# KiCad board panel_bottom.kicad_pcb
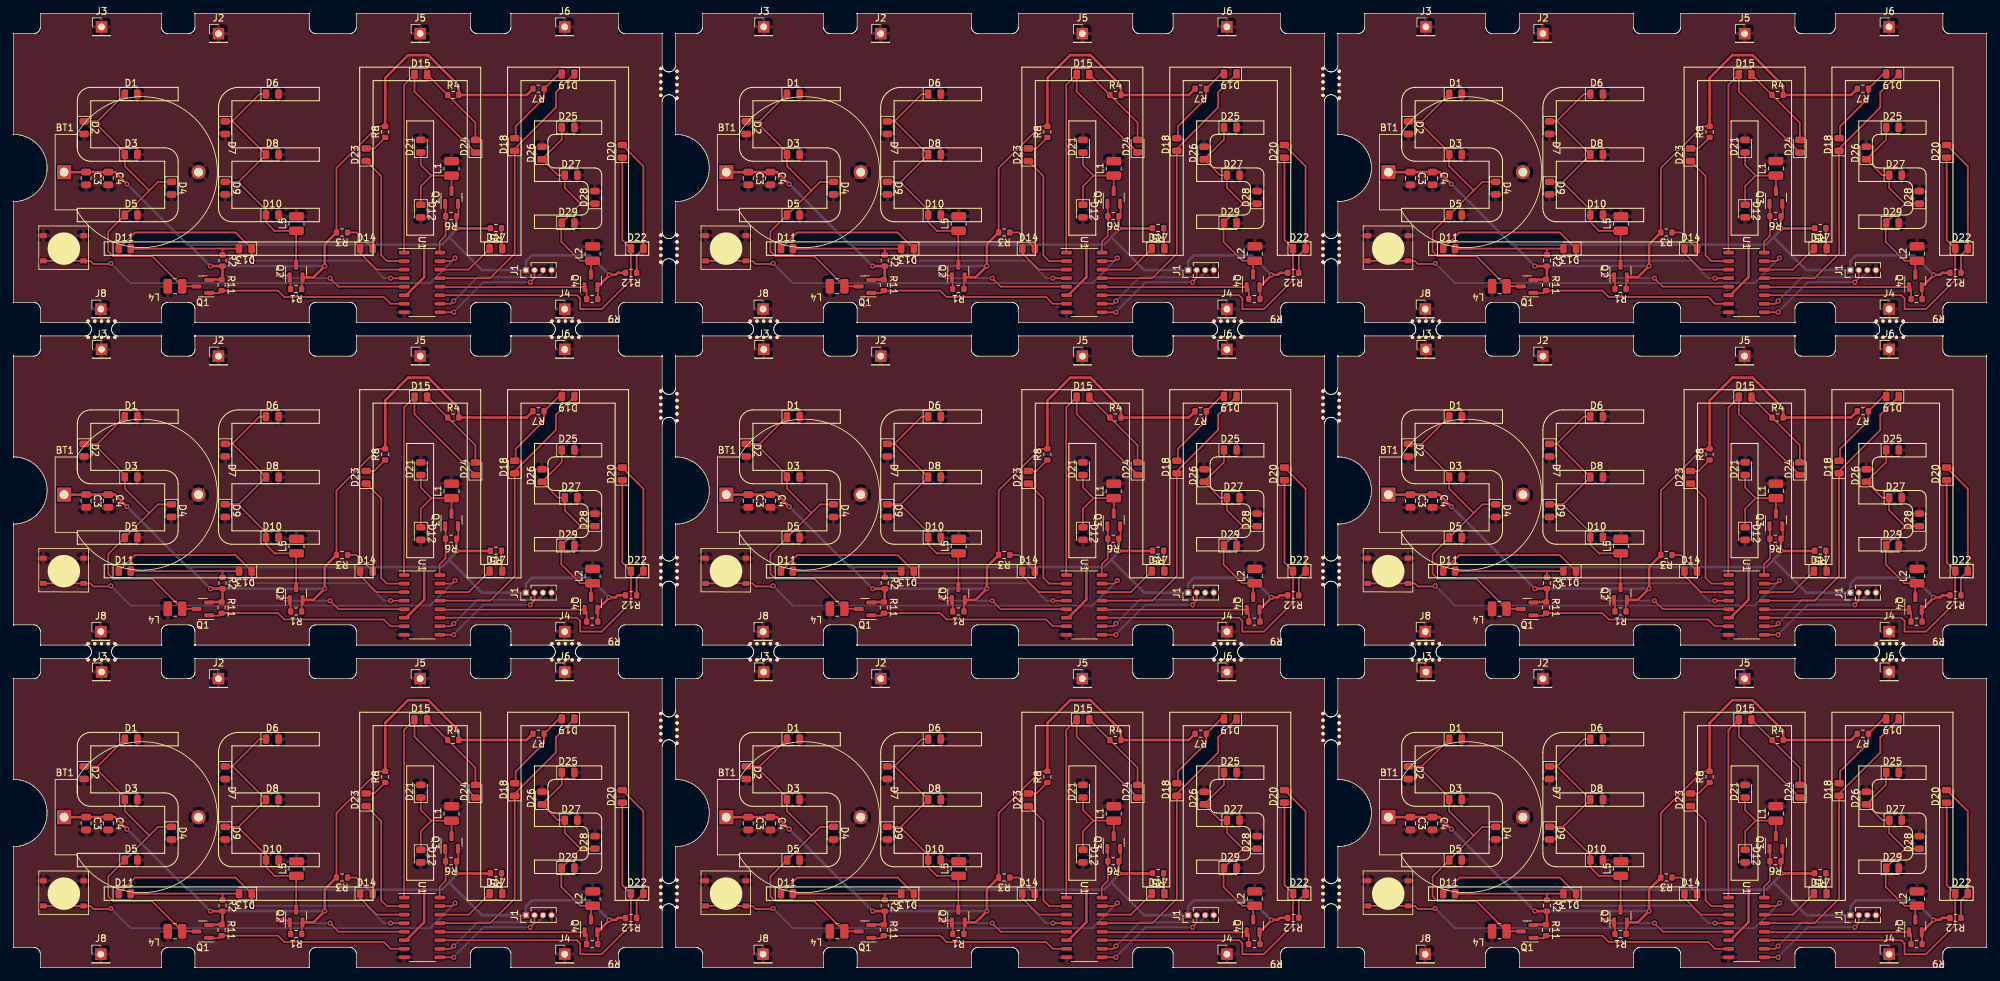
[diagram p0: board, top side]
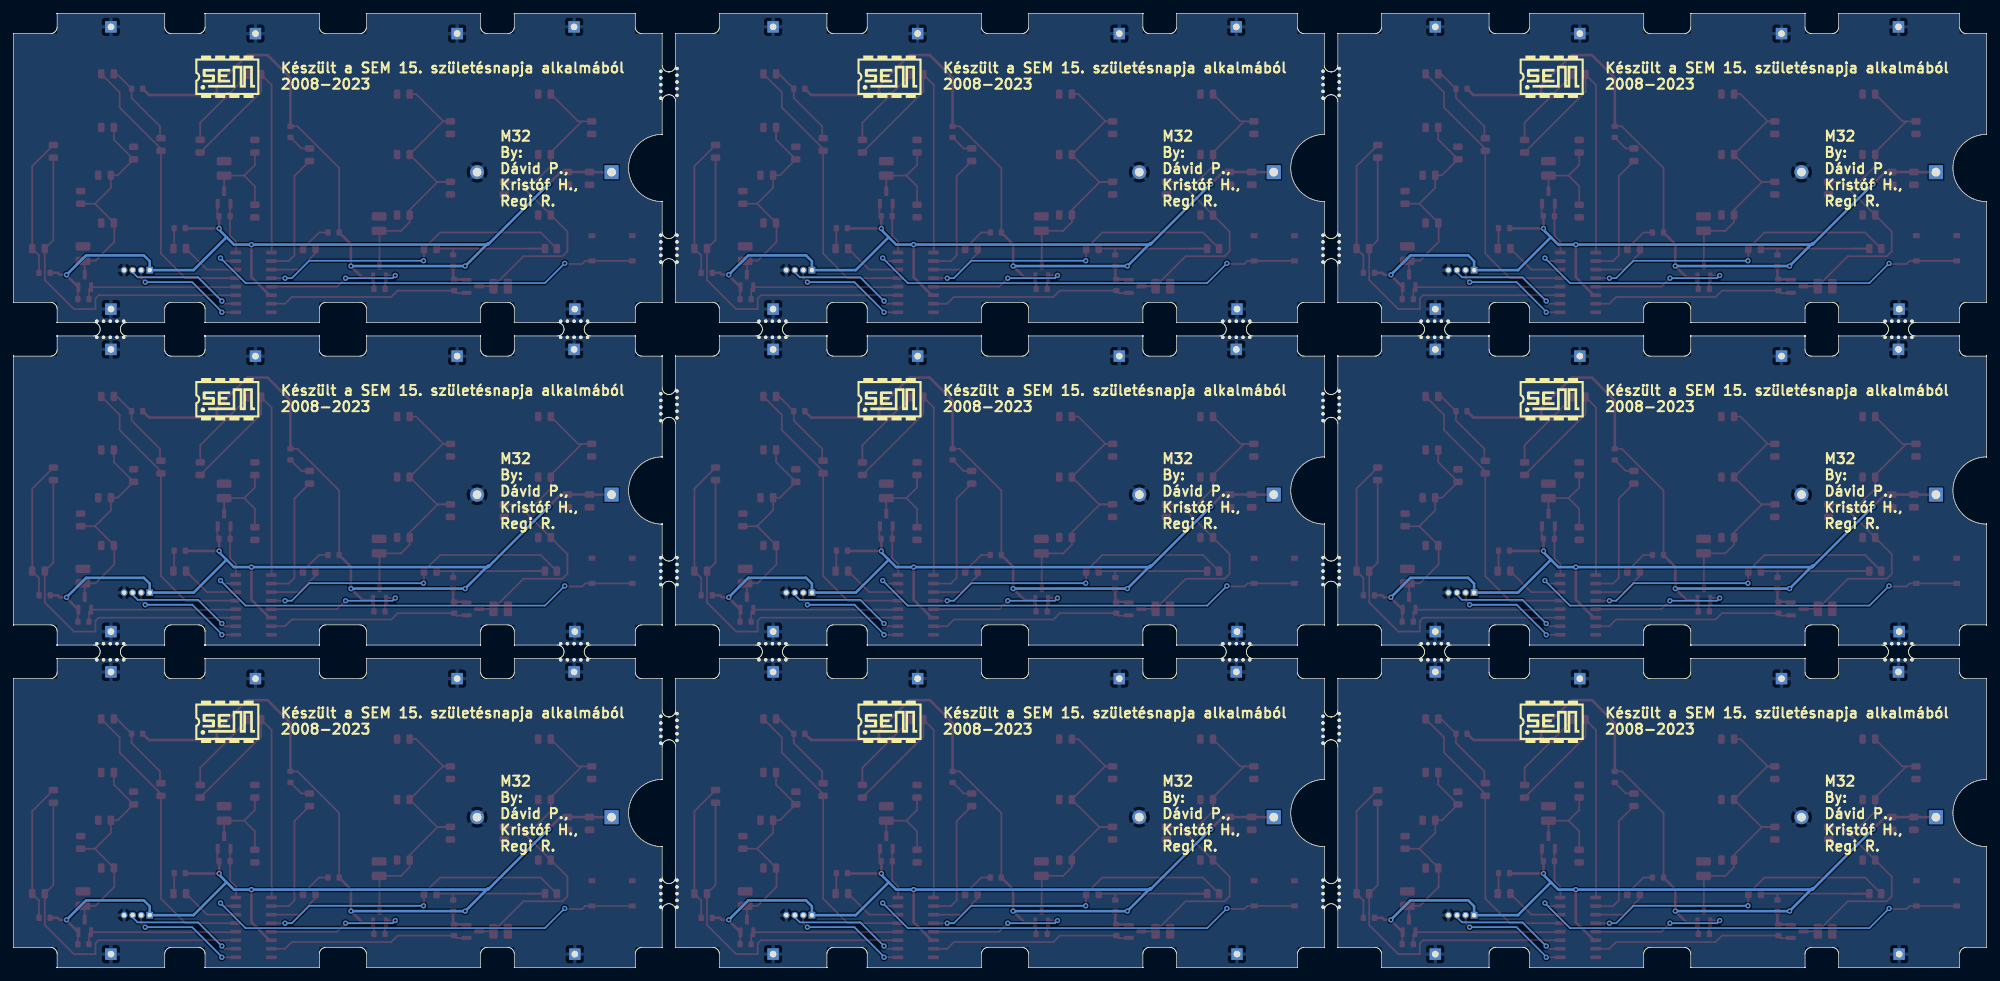
[diagram p1: board, bottom side, seen from below]

Outline 293.5 x 142 mm; copper layers: Top, Bottom. Coordinates in mm from the lower left corner of the outline.
Stack: Top 0.035mm / dielectric 1.51mm FR4 er 4.5 / Bottom 0.035mm

## Placement (name value [footprint] x y rotation side)
BT1  Battery  [CR2032_Holder]  7.53 70.38 0 top
BT1#2  Battery  [CR2032_Holder]  204.53 118.38 0 top
BT1#3  Battery  [CR2032_Holder]  106.03 22.38 0 top
BT1#4  Battery  [CR2032_Holder]  106.03 70.38 0 top
BT1#5  Battery  [CR2032_Holder]  7.53 118.38 0 top
BT1#6  Battery  [CR2032_Holder]  7.53 22.38 0 top
BT1#7  Battery  [CR2032_Holder]  204.53 70.38 0 top
BT1#8  Battery  [CR2032_Holder]  204.53 22.38 0 top
BT1#9  Battery  [CR2032_Holder]  106.03 118.38 0 top
C3  100n  [C_0805_2012Metric]  10.81 117.45 270 top
C3#2  100n  [C_0805_2012Metric]  207.81 69.45 270 top
C3#3  100n  [C_0805_2012Metric]  207.81 21.45 270 top
C3#4  100n  [C_0805_2012Metric]  109.31 21.45 270 top
C3#5  100n  [C_0805_2012Metric]  10.81 21.45 270 top
C3#6  100n  [C_0805_2012Metric]  109.31 117.45 270 top
C3#7  100n  [C_0805_2012Metric]  109.31 69.45 270 top
C3#8  100n  [C_0805_2012Metric]  10.81 69.45 270 top
C3#9  100n  [C_0805_2012Metric]  207.81 117.45 270 top
C4  10u  [C_0805_2012Metric]  14.1 21.45 270 top
C4#2  10u  [C_0805_2012Metric]  211.1 117.45 270 top
C4#3  10u  [C_0805_2012Metric]  112.6 117.45 270 top
C4#4  10u  [C_0805_2012Metric]  112.6 21.45 270 top
C4#5  10u  [C_0805_2012Metric]  112.6 69.45 270 top
C4#6  10u  [C_0805_2012Metric]  14.1 117.45 270 top
C4#7  10u  [C_0805_2012Metric]  14.1 69.45 270 top
C4#8  10u  [C_0805_2012Metric]  211.1 21.45 270 top
C4#9  10u  [C_0805_2012Metric]  211.1 69.45 270 top
D1  LED  [LED_0805_2012Metric]  116 34 0 top
D1#2  LED  [LED_0805_2012Metric]  17.5 34 0 top
D1#3  LED  [LED_0805_2012Metric]  17.5 130 0 top
D1#4  LED  [LED_0805_2012Metric]  214.5 34 0 top
D1#5  LED  [LED_0805_2012Metric]  116 82 0 top
D1#6  LED  [LED_0805_2012Metric]  214.5 82 0 top
D1#7  LED  [LED_0805_2012Metric]  116 130 0 top
D1#8  LED  [LED_0805_2012Metric]  17.5 82 0 top
D1#9  LED  [LED_0805_2012Metric]  214.5 130 0 top
D2  LED  [LED_0805_2012Metric]  207.5 77 270 top
D2#2  LED  [LED_0805_2012Metric]  10.5 125 270 top
D2#3  LED  [LED_0805_2012Metric]  109 29 270 top
D2#4  LED  [LED_0805_2012Metric]  10.5 77 270 top
D2#5  LED  [LED_0805_2012Metric]  109 77 270 top
D2#6  LED  [LED_0805_2012Metric]  10.5 29 270 top
D2#7  LED  [LED_0805_2012Metric]  207.5 29 270 top
D2#8  LED  [LED_0805_2012Metric]  207.5 125 270 top
D2#9  LED  [LED_0805_2012Metric]  109 125 270 top
D3  LED  [LED_0805_2012Metric]  214.5 121 0 top
D3#2  LED  [LED_0805_2012Metric]  214.5 73 0 top
D3#3  LED  [LED_0805_2012Metric]  214.5 25 0 top
D3#4  LED  [LED_0805_2012Metric]  116 25 0 top
D3#5  LED  [LED_0805_2012Metric]  17.5 25 0 top
D3#6  LED  [LED_0805_2012Metric]  116 121 0 top
D3#7  LED  [LED_0805_2012Metric]  116 73 0 top
D3#8  LED  [LED_0805_2012Metric]  17.5 73 0 top
D3#9  LED  [LED_0805_2012Metric]  17.5 121 0 top
D4  LED  [LED_0805_2012Metric]  23.5 68 270 top
D4#2  LED  [LED_0805_2012Metric]  23.5 20 270 top
D4#3  LED  [LED_0805_2012Metric]  122 68 270 top
D4#4  LED  [LED_0805_2012Metric]  122 20 270 top
D4#5  LED  [LED_0805_2012Metric]  220.5 116 270 top
D4#6  LED  [LED_0805_2012Metric]  122 116 270 top
D4#7  LED  [LED_0805_2012Metric]  220.5 68 270 top
D4#8  LED  [LED_0805_2012Metric]  220.5 20 270 top
D4#9  LED  [LED_0805_2012Metric]  23.5 116 270 top
D5  LED  [LED_0805_2012Metric]  17.5 112 0 top
D5#2  LED  [LED_0805_2012Metric]  214.5 112 0 top
D5#3  LED  [LED_0805_2012Metric]  116 64 0 top
D5#4  LED  [LED_0805_2012Metric]  214.5 16 0 top
D5#5  LED  [LED_0805_2012Metric]  214.5 64 0 top
D5#6  LED  [LED_0805_2012Metric]  116 16 0 top
D5#7  LED  [LED_0805_2012Metric]  17.5 16 0 top
D5#8  LED  [LED_0805_2012Metric]  116 112 0 top
D5#9  LED  [LED_0805_2012Metric]  17.5 64 0 top
D6  LED  [LED_0805_2012Metric]  38.5 34 0 top
D6#2  LED  [LED_0805_2012Metric]  235.5 34 0 top
D6#3  LED  [LED_0805_2012Metric]  38.5 82 0 top
D6#4  LED  [LED_0805_2012Metric]  137 34 0 top
D6#5  LED  [LED_0805_2012Metric]  38.5 130 0 top
D6#6  LED  [LED_0805_2012Metric]  235.5 130 0 top
D6#7  LED  [LED_0805_2012Metric]  235.5 82 0 top
D6#8  LED  [LED_0805_2012Metric]  137 82 0 top
D6#9  LED  [LED_0805_2012Metric]  137 130 0 top
D7  LED  [LED_0805_2012Metric]  130 125 270 top
D7#2  LED  [LED_0805_2012Metric]  228.5 77 270 top
D7#3  LED  [LED_0805_2012Metric]  130 29 270 top
D7#4  LED  [LED_0805_2012Metric]  228.5 125 270 top
D7#5  LED  [LED_0805_2012Metric]  130 77 270 top
D7#6  LED  [LED_0805_2012Metric]  31.5 125 270 top
D7#7  LED  [LED_0805_2012Metric]  31.5 77 270 top
D7#8  LED  [LED_0805_2012Metric]  228.5 29 270 top
D7#9  LED  [LED_0805_2012Metric]  31.5 29 270 top
D8  LED  [LED_0805_2012Metric]  235.5 25 0 top
D8#2  LED  [LED_0805_2012Metric]  38.5 73 0 top
D8#3  LED  [LED_0805_2012Metric]  235.5 121 0 top
D8#4  LED  [LED_0805_2012Metric]  137 73 0 top
D8#5  LED  [LED_0805_2012Metric]  235.5 73 0 top
D8#6  LED  [LED_0805_2012Metric]  38.5 25 0 top
D8#7  LED  [LED_0805_2012Metric]  137 25 0 top
D8#8  LED  [LED_0805_2012Metric]  137 121 0 top
D8#9  LED  [LED_0805_2012Metric]  38.5 121 0 top
D9  LED  [LED_0805_2012Metric]  228.5 68 270 top
D9#2  LED  [LED_0805_2012Metric]  130 68 270 top
D9#3  LED  [LED_0805_2012Metric]  228.5 20 270 top
D9#4  LED  [LED_0805_2012Metric]  31.5 20 270 top
D9#5  LED  [LED_0805_2012Metric]  228.5 116 270 top
D9#6  LED  [LED_0805_2012Metric]  31.5 68 270 top
D9#7  LED  [LED_0805_2012Metric]  31.5 116 270 top
D9#8  LED  [LED_0805_2012Metric]  130 20 270 top
D9#9  LED  [LED_0805_2012Metric]  130 116 270 top
D10  LED  [LED_0805_2012Metric]  235.5 112 0 top
D10#2  LED  [LED_0805_2012Metric]  235.5 16 0 top
D10#3  LED  [LED_0805_2012Metric]  137 16 0 top
D10#4  LED  [LED_0805_2012Metric]  38.5 112 0 top
D10#5  LED  [LED_0805_2012Metric]  137 112 0 top
D10#6  LED  [LED_0805_2012Metric]  235.5 64 0 top
D10#7  LED  [LED_0805_2012Metric]  137 64 0 top
D10#8  LED  [LED_0805_2012Metric]  38.5 64 0 top
D10#9  LED  [LED_0805_2012Metric]  38.5 16 0 top
D11  LED_G  [LED_0805_2012Metric#2]  213.5 107 0 top
D11#2  LED_G  [LED_0805_2012Metric#2]  16.5 59 0 top
D11#3  LED_G  [LED_0805_2012Metric#2]  16.5 11 0 top
D11#4  LED_G  [LED_0805_2012Metric#2]  16.5 107 0 top
D11#5  LED_G  [LED_0805_2012Metric#2]  115 59 0 top
D11#6  LED_G  [LED_0805_2012Metric#2]  115 107 0 top
D11#7  LED_G  [LED_0805_2012Metric#2]  213.5 59 0 top
D11#8  LED_G  [LED_0805_2012Metric#2]  115 11 0 top
D11#9  LED_G  [LED_0805_2012Metric#2]  213.5 11 0 top
D12  LED  [LED_0805_2012Metric]  159.09 64.59 270 top
D12#2  LED  [LED_0805_2012Metric]  159.09 112.59 270 top
D12#3  LED  [LED_0805_2012Metric]  60.59 64.59 270 top
D12#4  LED  [LED_0805_2012Metric]  257.59 64.59 270 top
D12#5  LED  [LED_0805_2012Metric]  60.59 16.59 270 top
D12#6  LED  [LED_0805_2012Metric]  257.59 112.59 270 top
D12#7  LED  [LED_0805_2012Metric]  60.59 112.59 270 top
D12#8  LED  [LED_0805_2012Metric]  257.59 16.59 270 top
D12#9  LED  [LED_0805_2012Metric]  159.09 16.59 270 top
D13  LED_G  [LED_0805_2012Metric]  133 59 180 top
D13#2  LED_G  [LED_0805_2012Metric]  34.5 107 180 top
D13#3  LED_G  [LED_0805_2012Metric]  133 11 180 top
D13#4  LED_G  [LED_0805_2012Metric]  231.5 11 180 top
D13#5  LED_G  [LED_0805_2012Metric]  133 107 180 top
D13#6  LED_G  [LED_0805_2012Metric]  231.5 107 180 top
D13#7  LED_G  [LED_0805_2012Metric]  34.5 11 180 top
D13#8  LED_G  [LED_0805_2012Metric]  34.5 59 180 top
D13#9  LED_G  [LED_0805_2012Metric]  231.5 59 180 top
D14  LED_G  [LED_0805_2012Metric]  52.5 11 0 top
D14#2  LED_G  [LED_0805_2012Metric]  249.5 11 0 top
D14#3  LED_G  [LED_0805_2012Metric]  52.5 107 0 top
D14#4  LED_G  [LED_0805_2012Metric]  151 11 0 top
D14#5  LED_G  [LED_0805_2012Metric]  249.5 59 0 top
D14#6  LED_G  [LED_0805_2012Metric]  249.5 107 0 top
D14#7  LED_G  [LED_0805_2012Metric]  52.5 59 0 top
D14#8  LED_G  [LED_0805_2012Metric]  151 59 0 top
D14#9  LED_G  [LED_0805_2012Metric]  151 107 0 top
D15  LED_G  [LED_0805_2012Metric]  257.59 36.91 0 top
D15#2  LED_G  [LED_0805_2012Metric]  60.59 84.91 0 top
D15#3  LED_G  [LED_0805_2012Metric]  257.59 132.91 0 top
D15#4  LED_G  [LED_0805_2012Metric]  257.59 84.91 0 top
D15#5  LED_G  [LED_0805_2012Metric]  60.59 132.91 0 top
D15#6  LED_G  [LED_0805_2012Metric]  159.09 84.91 0 top
D15#7  LED_G  [LED_0805_2012Metric]  60.59 36.91 0 top
D15#8  LED_G  [LED_0805_2012Metric]  159.09 132.91 0 top
D15#9  LED_G  [LED_0805_2012Metric]  159.09 36.91 0 top
D17  LED_G  [LED_0805_2012Metric]  268.77 107 0 top
D17#2  LED_G  [LED_0805_2012Metric]  268.77 11 0 top
D17#3  LED_G  [LED_0805_2012Metric]  71.77 59 0 top
D17#4  LED_G  [LED_0805_2012Metric]  170.27 107 0 top
D17#5  LED_G  [LED_0805_2012Metric]  71.77 11 0 top
D17#6  LED_G  [LED_0805_2012Metric]  170.27 11 0 top
D17#7  LED_G  [LED_0805_2012Metric]  268.77 59 0 top
D17#8  LED_G  [LED_0805_2012Metric]  71.77 107 0 top
D17#9  LED_G  [LED_0805_2012Metric]  170.27 59 0 top
D18  LED_G  [LED_0805_2012Metric]  74.56 26.5 90 top
D18#2  LED_G  [LED_0805_2012Metric]  74.56 74.5 90 top
D18#3  LED_G  [LED_0805_2012Metric]  173.06 26.5 90 top
D18#4  LED_G  [LED_0805_2012Metric]  271.56 122.5 90 top
D18#5  LED_G  [LED_0805_2012Metric]  271.56 26.5 90 top
D18#6  LED_G  [LED_0805_2012Metric]  173.06 74.5 90 top
D18#7  LED_G  [LED_0805_2012Metric]  271.56 74.5 90 top
D18#8  LED_G  [LED_0805_2012Metric]  173.06 122.5 90 top
D18#9  LED_G  [LED_0805_2012Metric]  74.56 122.5 90 top
D19  LED_G  [LED_0805_2012Metric]  82.5 37 180 top
D19#2  LED_G  [LED_0805_2012Metric]  82.5 85 180 top
D19#3  LED_G  [LED_0805_2012Metric]  279.5 85 180 top
D19#4  LED_G  [LED_0805_2012Metric]  181 37 180 top
D19#5  LED_G  [LED_0805_2012Metric]  181 85 180 top
D19#6  LED_G  [LED_0805_2012Metric]  181 133 180 top
D19#7  LED_G  [LED_0805_2012Metric]  279.5 133 180 top
D19#8  LED_G  [LED_0805_2012Metric]  279.5 37 180 top
D19#9  LED_G  [LED_0805_2012Metric]  82.5 133 180 top
D20  LED_G  [LED_0805_2012Metric]  287.56 121.48 90 top
D20#2  LED_G  [LED_0805_2012Metric]  189.06 121.48 90 top
D20#3  LED_G  [LED_0805_2012Metric]  90.56 73.48 90 top
D20#4  LED_G  [LED_0805_2012Metric]  189.06 25.48 90 top
D20#5  LED_G  [LED_0805_2012Metric]  287.56 25.48 90 top
D20#6  LED_G  [LED_0805_2012Metric]  287.56 73.48 90 top
D20#7  LED_G  [LED_0805_2012Metric]  90.56 121.48 90 top
D20#8  LED_G  [LED_0805_2012Metric]  90.56 25.48 90 top
D20#9  LED_G  [LED_0805_2012Metric]  189.06 73.48 90 top
D21  LED  [LED_0805_2012Metric]  60.59 122.24 90 top
D21#2  LED  [LED_0805_2012Metric]  257.59 122.24 90 top
D21#3  LED  [LED_0805_2012Metric]  60.59 26.24 90 top
D21#4  LED  [LED_0805_2012Metric]  257.59 74.24 90 top
D21#5  LED  [LED_0805_2012Metric]  159.09 26.24 90 top
D21#6  LED  [LED_0805_2012Metric]  159.09 122.24 90 top
D21#7  LED  [LED_0805_2012Metric]  60.59 74.24 90 top
D21#8  LED  [LED_0805_2012Metric]  257.59 26.24 90 top
D21#9  LED  [LED_0805_2012Metric]  159.09 74.24 90 top
D22  LED_G  [LED_0805_2012Metric]  92.77 107 0 top
D22#2  LED_G  [LED_0805_2012Metric]  191.27 11 0 top
D22#3  LED_G  [LED_0805_2012Metric]  92.77 59 0 top
D22#4  LED_G  [LED_0805_2012Metric]  92.77 11 0 top
D22#5  LED_G  [LED_0805_2012Metric]  289.77 59 0 top
D22#6  LED_G  [LED_0805_2012Metric]  191.27 107 0 top
D22#7  LED_G  [LED_0805_2012Metric]  289.77 107 0 top
D22#8  LED_G  [LED_0805_2012Metric]  191.27 59 0 top
D22#9  LED_G  [LED_0805_2012Metric]  289.77 11 0 top
D23  LED_G  [LED_0805_2012Metric]  150.96 72.97 90 top
D23#2  LED_G  [LED_0805_2012Metric]  249.46 24.97 90 top
D23#3  LED_G  [LED_0805_2012Metric]  249.46 120.97 90 top
D23#4  LED_G  [LED_0805_2012Metric]  52.46 24.97 90 top
D23#5  LED_G  [LED_0805_2012Metric]  249.46 72.97 90 top
D23#6  LED_G  [LED_0805_2012Metric]  52.46 120.97 90 top
D23#7  LED_G  [LED_0805_2012Metric]  150.96 120.97 90 top
D23#8  LED_G  [LED_0805_2012Metric]  52.46 72.97 90 top
D23#9  LED_G  [LED_0805_2012Metric]  150.96 24.97 90 top
D24  LED_G  [LED_0805_2012Metric]  265.72 122.24 90 top
D24#2  LED_G  [LED_0805_2012Metric]  167.22 26.24 90 top
D24#3  LED_G  [LED_0805_2012Metric]  167.22 122.24 90 top
D24#4  LED_G  [LED_0805_2012Metric]  68.72 26.24 90 top
D24#5  LED_G  [LED_0805_2012Metric]  68.72 122.24 90 top
D24#6  LED_G  [LED_0805_2012Metric]  167.22 74.24 90 top
D24#7  LED_G  [LED_0805_2012Metric]  265.72 74.24 90 top
D24#8  LED_G  [LED_0805_2012Metric]  68.72 74.24 90 top
D24#9  LED_G  [LED_0805_2012Metric]  265.72 26.24 90 top
D25  LED  [LED_0805_2012Metric]  181 125.04 0 top
D25#2  LED  [LED_0805_2012Metric]  279.5 125.04 0 top
D25#3  LED  [LED_0805_2012Metric]  181 29.04 0 top
D25#4  LED  [LED_0805_2012Metric]  279.5 77.04 0 top
D25#5  LED  [LED_0805_2012Metric]  82.5 77.04 0 top
D25#6  LED  [LED_0805_2012Metric]  279.5 29.04 0 top
D25#7  LED  [LED_0805_2012Metric]  181 77.04 0 top
D25#8  LED  [LED_0805_2012Metric]  82.5 29.04 0 top
D25#9  LED  [LED_0805_2012Metric]  82.5 125.04 0 top
D26  LED  [LED_0805_2012Metric]  275.63 121.23 90 top
D26#2  LED  [LED_0805_2012Metric]  177.13 25.23 90 top
D26#3  LED  [LED_0805_2012Metric]  78.63 121.23 90 top
D26#4  LED  [LED_0805_2012Metric]  177.13 121.23 90 top
D26#5  LED  [LED_0805_2012Metric]  78.63 25.23 90 top
D26#6  LED  [LED_0805_2012Metric]  177.13 73.23 90 top
D26#7  LED  [LED_0805_2012Metric]  275.63 73.23 90 top
D26#8  LED  [LED_0805_2012Metric]  275.63 25.23 90 top
D26#9  LED  [LED_0805_2012Metric]  78.63 73.23 90 top
D27  LED  [LED_0805_2012Metric]  279.94 69.92 0 top
D27#2  LED  [LED_0805_2012Metric]  279.94 117.92 0 top
D27#3  LED  [LED_0805_2012Metric]  279.94 21.92 0 top
D27#4  LED  [LED_0805_2012Metric]  181.44 117.92 0 top
D27#5  LED  [LED_0805_2012Metric]  181.44 69.92 0 top
D27#6  LED  [LED_0805_2012Metric]  82.94 117.92 0 top
D27#7  LED  [LED_0805_2012Metric]  82.94 21.92 0 top
D27#8  LED  [LED_0805_2012Metric]  181.44 21.92 0 top
D27#9  LED  [LED_0805_2012Metric]  82.94 69.92 0 top
D28  LED  [LED_0805_2012Metric]  185 18.62 90 top
D28#2  LED  [LED_0805_2012Metric]  86.5 114.62 90 top
D28#3  LED  [LED_0805_2012Metric]  283.5 66.62 90 top
D28#4  LED  [LED_0805_2012Metric]  185 66.62 90 top
D28#5  LED  [LED_0805_2012Metric]  86.5 18.62 90 top
D28#6  LED  [LED_0805_2012Metric]  185 114.62 90 top
D28#7  LED  [LED_0805_2012Metric]  86.5 66.62 90 top
D28#8  LED  [LED_0805_2012Metric]  283.5 18.62 90 top
D28#9  LED  [LED_0805_2012Metric]  283.5 114.62 90 top
D29  LED  [LED_0805_2012Metric]  279.5 110.81 0 top
D29#2  LED  [LED_0805_2012Metric]  181 62.81 0 top
D29#3  LED  [LED_0805_2012Metric]  82.5 14.81 0 top
D29#4  LED  [LED_0805_2012Metric]  181 110.81 0 top
D29#5  LED  [LED_0805_2012Metric]  279.5 62.81 0 top
D29#6  LED  [LED_0805_2012Metric]  181 14.81 0 top
D29#7  LED  [LED_0805_2012Metric]  82.5 110.81 0 top
D29#8  LED  [LED_0805_2012Metric]  279.5 14.81 0 top
D29#9  LED  [LED_0805_2012Metric]  82.5 62.81 0 top
J1  Conn_01x04  [PinHeader_1x04_P1.27mm_Vertical]  273.23 7.8 90 top
J1#2  Conn_01x04  [PinHeader_1x04_P1.27mm_Vertical]  76.23 7.8 90 top
J1#3  Conn_01x04  [PinHeader_1x04_P1.27mm_Vertical]  174.73 7.8 90 top
J1#4  Conn_01x04  [PinHeader_1x04_P1.27mm_Vertical]  174.73 55.8 90 top
J1#5  Conn_01x04  [PinHeader_1x04_P1.27mm_Vertical]  76.23 55.8 90 top
J1#6  Conn_01x04  [PinHeader_1x04_P1.27mm_Vertical]  273.23 103.8 90 top
J1#7  Conn_01x04  [PinHeader_1x04_P1.27mm_Vertical]  174.73 103.8 90 top
J1#8  Conn_01x04  [PinHeader_1x04_P1.27mm_Vertical]  76.23 103.8 90 top
J1#9  Conn_01x04  [PinHeader_1x04_P1.27mm_Vertical]  273.23 55.8 90 top
J2  Conn_01x01_Male  [PinHeader_1x01_P2.54mm_Vertical]  227.5 43 0 top
J2#2  Conn_01x01_Male  [PinHeader_1x01_P2.54mm_Vertical]  30.5 139 0 top
J2#3  Conn_01x01_Male  [PinHeader_1x01_P2.54mm_Vertical]  129 91 0 top
J2#4  Conn_01x01_Male  [PinHeader_1x01_P2.54mm_Vertical]  129 139 0 top
J2#5  Conn_01x01_Male  [PinHeader_1x01_P2.54mm_Vertical]  227.5 139 0 top
J2#6  Conn_01x01_Male  [PinHeader_1x01_P2.54mm_Vertical]  30.5 91 0 top
J2#7  Conn_01x01_Male  [PinHeader_1x01_P2.54mm_Vertical]  129 43 0 top
J2#8  Conn_01x01_Male  [PinHeader_1x01_P2.54mm_Vertical]  227.5 91 0 top
J2#9  Conn_01x01_Male  [PinHeader_1x01_P2.54mm_Vertical]  30.5 43 0 top
J3  Conn_01x01_Male  [PinHeader_1x01_P2.54mm_Vertical]  210.1 44 0 top
J3#2  Conn_01x01_Male  [PinHeader_1x01_P2.54mm_Vertical]  13.1 140 0 top
J3#3  Conn_01x01_Male  [PinHeader_1x01_P2.54mm_Vertical]  210.1 140 0 top
J3#4  Conn_01x01_Male  [PinHeader_1x01_P2.54mm_Vertical]  13.1 44 0 top
J3#5  Conn_01x01_Male  [PinHeader_1x01_P2.54mm_Vertical]  210.1 92 0 top
J3#6  Conn_01x01_Male  [PinHeader_1x01_P2.54mm_Vertical]  111.6 92 0 top
J3#7  Conn_01x01_Male  [PinHeader_1x01_P2.54mm_Vertical]  111.6 44 0 top
J3#8  Conn_01x01_Male  [PinHeader_1x01_P2.54mm_Vertical]  111.6 140 0 top
J3#9  Conn_01x01_Male  [PinHeader_1x01_P2.54mm_Vertical]  13.1 92 0 top
J4  Conn_01x01_Male  [PinHeader_1x01_P2.54mm_Vertical]  279 2 0 top
J4#2  Conn_01x01_Male  [PinHeader_1x01_P2.54mm_Vertical]  180.5 50 0 top
J4#3  Conn_01x01_Male  [PinHeader_1x01_P2.54mm_Vertical]  279 98 0 top
J4#4  Conn_01x01_Male  [PinHeader_1x01_P2.54mm_Vertical]  279 50 0 top
J4#5  Conn_01x01_Male  [PinHeader_1x01_P2.54mm_Vertical]  82 2 0 top
J4#6  Conn_01x01_Male  [PinHeader_1x01_P2.54mm_Vertical]  82 50 0 top
J4#7  Conn_01x01_Male  [PinHeader_1x01_P2.54mm_Vertical]  180.5 98 0 top
J4#8  Conn_01x01_Male  [PinHeader_1x01_P2.54mm_Vertical]  82 98 0 top
J4#9  Conn_01x01_Male  [PinHeader_1x01_P2.54mm_Vertical]  180.5 2 0 top
J5  Conn_01x01_Male  [PinHeader_1x01_P2.54mm_Vertical]  60.5 91 0 top
J5#2  Conn_01x01_Male  [PinHeader_1x01_P2.54mm_Vertical]  159 91 0 top
J5#3  Conn_01x01_Male  [PinHeader_1x01_P2.54mm_Vertical]  257.5 43 0 top
J5#4  Conn_01x01_Male  [PinHeader_1x01_P2.54mm_Vertical]  159 139 0 top
J5#5  Conn_01x01_Male  [PinHeader_1x01_P2.54mm_Vertical]  159 43 0 top
J5#6  Conn_01x01_Male  [PinHeader_1x01_P2.54mm_Vertical]  60.5 43 0 top
J5#7  Conn_01x01_Male  [PinHeader_1x01_P2.54mm_Vertical]  60.5 139 0 top
J5#8  Conn_01x01_Male  [PinHeader_1x01_P2.54mm_Vertical]  257.5 91 0 top
J5#9  Conn_01x01_Male  [PinHeader_1x01_P2.54mm_Vertical]  257.5 139 0 top
J6  Conn_01x01_Male  [PinHeader_1x01_P2.54mm_Vertical]  279 44 0 top
J6#2  Conn_01x01_Male  [PinHeader_1x01_P2.54mm_Vertical]  279 140 0 top
J6#3  Conn_01x01_Male  [PinHeader_1x01_P2.54mm_Vertical]  279 92 0 top
J6#4  Conn_01x01_Male  [PinHeader_1x01_P2.54mm_Vertical]  180.5 92 0 top
J6#5  Conn_01x01_Male  [PinHeader_1x01_P2.54mm_Vertical]  180.5 140 0 top
J6#6  Conn_01x01_Male  [PinHeader_1x01_P2.54mm_Vertical]  82 140 0 top
J6#7  Conn_01x01_Male  [PinHeader_1x01_P2.54mm_Vertical]  180.5 44 0 top
J6#8  Conn_01x01_Male  [PinHeader_1x01_P2.54mm_Vertical]  82 44 0 top
J6#9  Conn_01x01_Male  [PinHeader_1x01_P2.54mm_Vertical]  82 92 0 top
J8  Conn_01x01_Male  [PinHeader_1x01_P2.54mm_Vertical]  210 98 0 top
J8#2  Conn_01x01_Male  [PinHeader_1x01_P2.54mm_Vertical]  13 98 0 top
J8#3  Conn_01x01_Male  [PinHeader_1x01_P2.54mm_Vertical]  210 50 0 top
J8#4  Conn_01x01_Male  [PinHeader_1x01_P2.54mm_Vertical]  111.5 2 0 top
J8#5  Conn_01x01_Male  [PinHeader_1x01_P2.54mm_Vertical]  111.5 50 0 top
J8#6  Conn_01x01_Male  [PinHeader_1x01_P2.54mm_Vertical]  210 2 0 top
J8#7  Conn_01x01_Male  [PinHeader_1x01_P2.54mm_Vertical]  13 50 0 top
J8#8  Conn_01x01_Male  [PinHeader_1x01_P2.54mm_Vertical]  111.5 98 0 top
J8#9  Conn_01x01_Male  [PinHeader_1x01_P2.54mm_Vertical]  13 2 0 top
KiKit_MB_1_1  -  [NPTH]  96.3 133.8 0 top
KiKit_MB_1_2  -  [NPTH]  96.3 132.8 0 top
KiKit_MB_1_3  -  [NPTH]  96.3 131.8 0 top
KiKit_MB_1_4  -  [NPTH]  96.3 130.8 0 top
KiKit_MB_1_5  -  [NPTH]  96.3 129.8 0 top
KiKit_MB_2_1  -  [NPTH]  96.3 109 0 top
KiKit_MB_2_2  -  [NPTH]  96.3 108 0 top
KiKit_MB_2_3  -  [NPTH]  96.3 107 0 top
KiKit_MB_2_4  -  [NPTH]  96.3 106 0 top
KiKit_MB_2_5  -  [NPTH]  96.3 105 0 top
KiKit_MB_3_1  -  [NPTH]  15.1 96.2 0 top
KiKit_MB_3_2  -  [NPTH]  14.1 96.2 0 top
KiKit_MB_3_3  -  [NPTH]  13.1 96.2 0 top
KiKit_MB_3_4  -  [NPTH]  12.1 96.2 0 top
KiKit_MB_3_5  -  [NPTH]  11.1 96.2 0 top
KiKit_MB_4_1  -  [NPTH]  84.1 96.2 0 top
KiKit_MB_4_2  -  [NPTH]  83.1 96.2 0 top
KiKit_MB_4_3  -  [NPTH]  82.1 96.2 0 top
KiKit_MB_4_4  -  [NPTH]  81.1 96.2 0 top
KiKit_MB_4_5  -  [NPTH]  80.1 96.2 0 top
KiKit_MB_5_1  -  [NPTH]  194.8 133.8 0 top
KiKit_MB_5_2  -  [NPTH]  194.8 132.8 0 top
KiKit_MB_5_3  -  [NPTH]  194.8 131.8 0 top
KiKit_MB_5_4  -  [NPTH]  194.8 130.8 0 top
KiKit_MB_5_5  -  [NPTH]  194.8 129.8 0 top
KiKit_MB_6_1  -  [NPTH]  194.8 109 0 top
KiKit_MB_6_2  -  [NPTH]  194.8 108 0 top
KiKit_MB_6_3  -  [NPTH]  194.8 107 0 top
KiKit_MB_6_4  -  [NPTH]  194.8 106 0 top
KiKit_MB_6_5  -  [NPTH]  194.8 105 0 top
KiKit_MB_7_1  -  [NPTH]  113.6 96.2 0 top
KiKit_MB_7_2  -  [NPTH]  112.6 96.2 0 top
KiKit_MB_7_3  -  [NPTH]  111.6 96.2 0 top
KiKit_MB_7_4  -  [NPTH]  110.6 96.2 0 top
KiKit_MB_7_5  -  [NPTH]  109.6 96.2 0 top
KiKit_MB_8_1  -  [NPTH]  182.6 96.2 0 top
KiKit_MB_8_2  -  [NPTH]  181.6 96.2 0 top
KiKit_MB_8_3  -  [NPTH]  180.6 96.2 0 top
KiKit_MB_8_4  -  [NPTH]  179.6 96.2 0 top
KiKit_MB_8_5  -  [NPTH]  178.6 96.2 0 top
KiKit_MB_9_1  -  [NPTH]  98.7 129.4 0 top
KiKit_MB_9_2  -  [NPTH]  98.7 130.4 0 top
KiKit_MB_9_3  -  [NPTH]  98.7 131.4 0 top
KiKit_MB_9_4  -  [NPTH]  98.7 132.4 0 top